# KiCad board InsidePanel.kicad_pcb (continued)
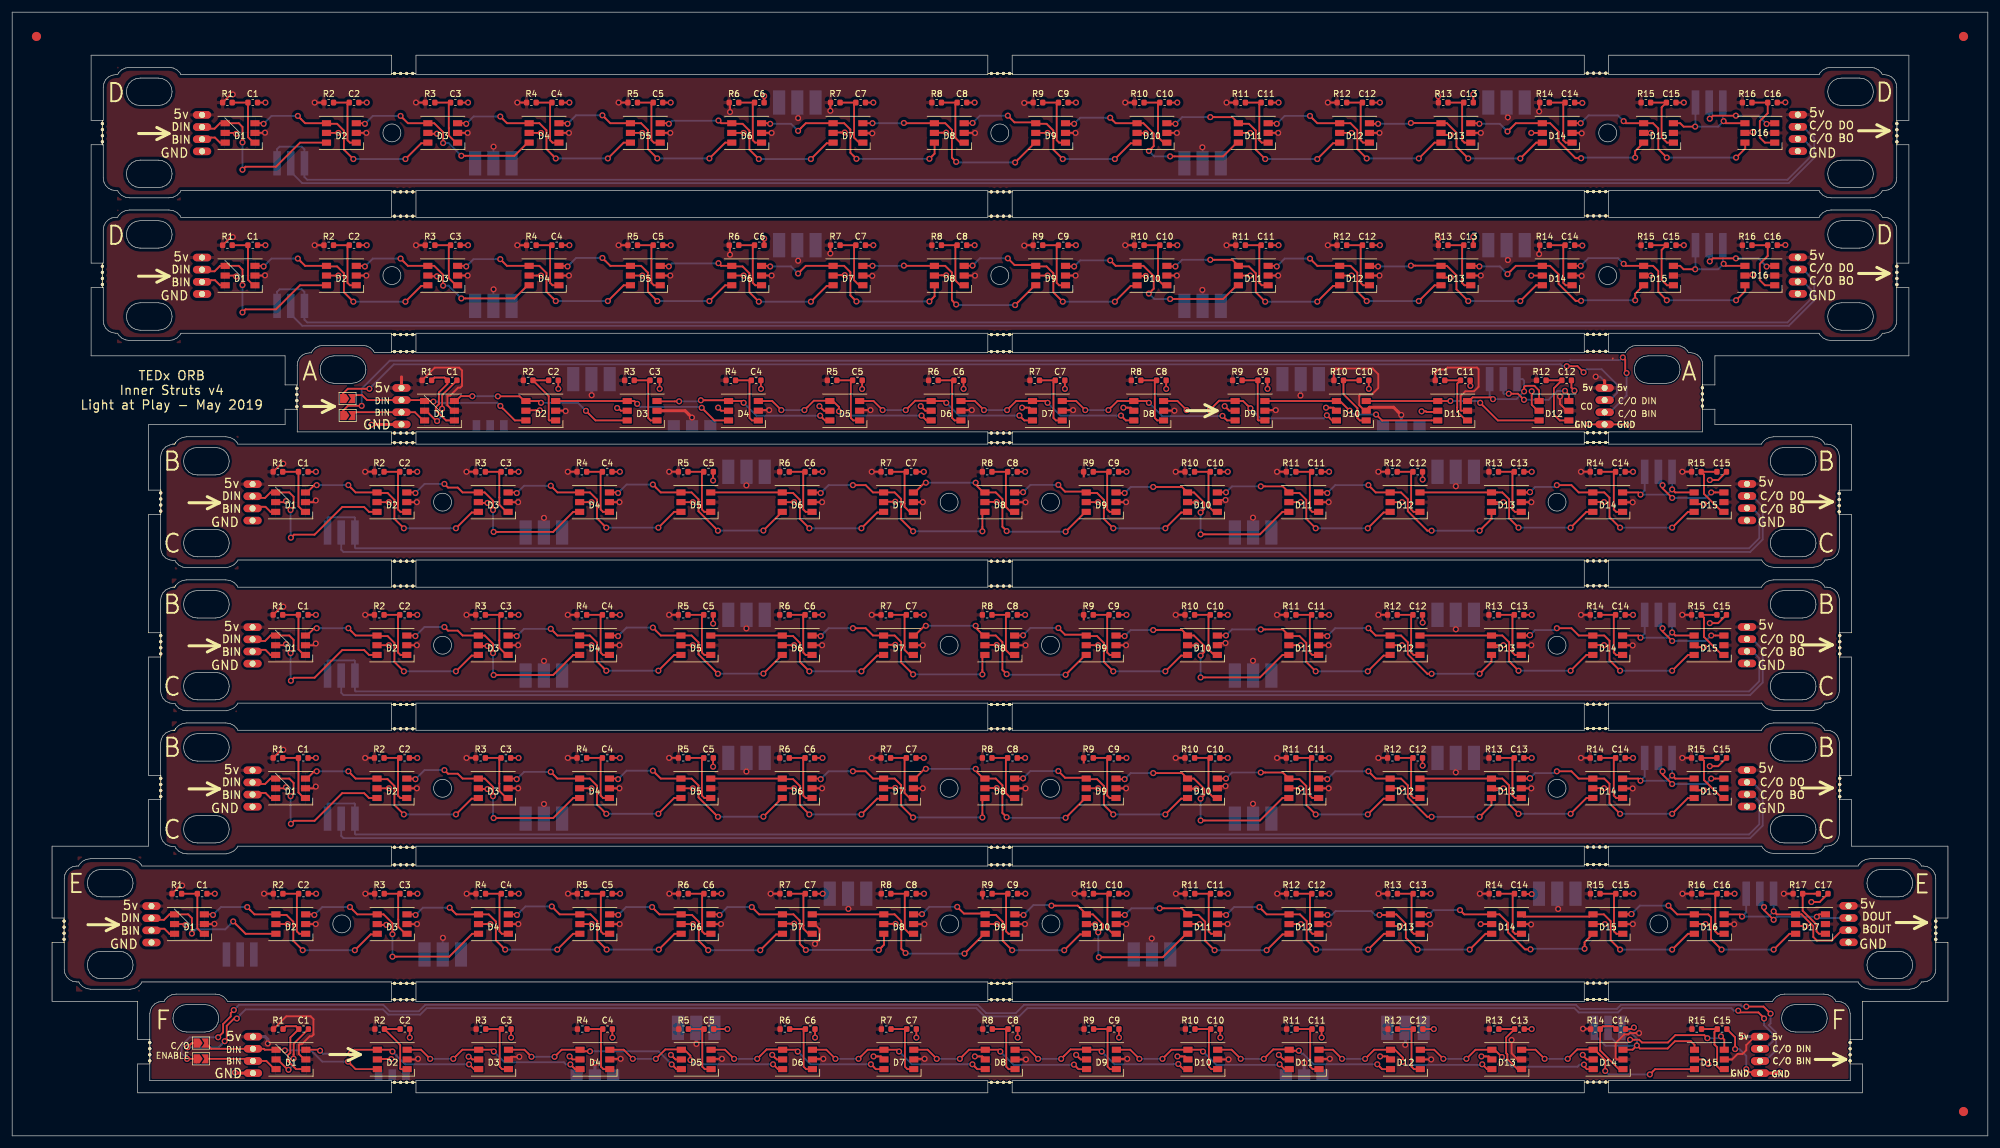
[diagram p0: board, top side]
## Placement (name value [footprint] x y rotation side) (continued)
R16  330  [R_0603_1608Metric]  277.08 39.86 0 top
R16#2  330  [R_0603_1608Metric]  285.41 170.12 0 top
R16#3  330  [R_0603_1608Metric]  285.41 146.63 0 top
R17  330  [R_0603_1608Metric]  293.75 39.86 0 top
REF**  -  [MousebiteTabSingle4mm]  64.4 174.91 0 top
REF**#2  -  [MousebiteTabSingle4mm]  162.57 174.91 0 top
REF**#3  -  [MousebiteTabSingle4mm]  260.64 174.95 0 top
REF**#4  -  [MousebiteTabSingle4mm]  260.64 155.45 0 top
REF**#5  -  [MousebiteTabSingle4mm]  64.4 155.41 0 top
REF**#6  -  [MousebiteTabSingle4mm]  162.57 155.41 0 top
REF**#7  -  [MousebiteTabSingle4mm]  260.64 151.45 0 top
REF**#8  -  [MousebiteTabSingle4mm]  64.4 151.41 0 top
REF**#9  -  [MousebiteTabSingle4mm]  162.57 151.41 0 top
REF**#10  -  [MousebiteTabSingle4mm]  162.57 131.91 0 top
REF**#11  -  [MousebiteTabSingle4mm]  260.64 131.95 0 top
REF**#12  -  [MousebiteTabSingle4mm]  64.4 131.91 0 top
REF**#13  -  [MousebiteTabSingle4mm]  64.4 129.11 0 top
REF**#14  -  [MousebiteTabSingle4mm]  260.64 129.15 0 top
REF**#15  -  [MousebiteTabSingle4mm]  162.57 129.11 0 top
REF**#16  -  [MousebiteTabSingle4mm]  64.4 115.71 0 top
REF**#17  -  [MousebiteTabSingle4mm]  260.64 115.75 0 top
REF**#18  -  [MousebiteTabSingle4mm]  162.57 115.71 0 top
REF**#19  -  [MousebiteTabSingle4mm]  64.4 114.11 0 top
REF**#20  -  [MousebiteTabSingle4mm]  260.64 114.15 0 top
REF**#21  -  [MousebiteTabSingle4mm]  162.57 114.11 0 top
REF**#22  -  [MousebiteTabSingle4mm]  64.4 94.61 0 top
REF**#23  -  [MousebiteTabSingle4mm]  260.64 94.65 0 top
REF**#24  -  [MousebiteTabSingle4mm]  162.57 94.61 0 top
REF**#25  -  [MousebiteTabSingle4mm]  64.4 90.51 0 top
REF**#26  -  [MousebiteTabSingle4mm]  260.64 90.55 0 top
REF**#27  -  [MousebiteTabSingle4mm]  162.57 90.51 0 top
REF**#28  -  [MousebiteTabSingle4mm]  64.4 71.01 0 top
REF**#29  -  [MousebiteTabSingle4mm]  260.64 71.05 0 top
REF**#30  -  [MousebiteTabSingle4mm]  162.57 71.01 0 top
REF**#31  -  [MousebiteTabSingle4mm]  64.4 67.01 0 top
REF**#32  -  [MousebiteTabSingle4mm]  260.64 67.05 0 top
REF**#33  -  [MousebiteTabSingle4mm]  162.57 67.01 0 top
REF**#34  -  [MousebiteTabSingle4mm]  64.4 47.51 0 top
REF**#35  -  [MousebiteTabSingle4mm]  260.64 47.55 0 top
REF**#36  -  [MousebiteTabSingle4mm]  162.57 47.51 0 top
REF**#37  -  [MousebiteTabSingle4mm]  64.4 44.61 0 top
REF**#38  -  [MousebiteTabSingle4mm]  260.64 44.65 0 top
REF**#39  -  [MousebiteTabSingle4mm]  162.57 44.61 0 top
REF**#40  -  [MousebiteTabSingle4mm]  64.4 25.11 0 top
REF**#41  -  [MousebiteTabSingle4mm]  260.64 25.15 0 top
REF**#42  -  [MousebiteTabSingle4mm]  162.57 25.11 0 top
REF**#43  -  [MousebiteTabSingle4mm]  64.4 22.41 0 top
REF**#44  -  [MousebiteTabSingle4mm]  260.64 22.45 0 top
REF**#45  -  [MousebiteTabSingle4mm]  162.57 22.41 0 top
REF**#46  -  [MousebiteTabSingle4mm]  64.4 8.81 0 top
REF**#47  -  [MousebiteTabSingle4mm]  260.64 8.85 0 top
REF**#48  -  [MousebiteTabSingle4mm]  162.57 8.81 0 top
REF**#49  -  [Fiducial_1.5mm_Mask3mm]  321 181 0 top
REF**#50  -  [MousebiteTabSingle4mm]  14.84 165.15 90 top
REF**#51  -  [MousebiteTabSingle4mm]  14.84 141.67 90 top
REF**#52  -  [MousebiteTabSingle4mm]  46.84 121.55 90 top
REF**#53  -  [MousebiteTabSingle4mm]  24.44 104.35 90 top
REF**#54  -  [MousebiteTabSingle4mm]  24.44 80.85 90 top
REF**#55  -  [MousebiteTabSingle4mm]  24.44 57.35 90 top
REF**#56  -  [MousebiteTabSingle4mm]  8.54 33.85 90 top
REF**#57  -  [MousebiteTabSingle4mm]  22.64 13.85 90 top
REF**#58  -  [MousebiteTabSingle4mm]  302.34 13.85 90 top
REF**#59  -  [MousebiteTabSingle4mm]  316.44 33.85 90 top
REF**#60  -  [MousebiteTabSingle4mm]  300.64 57.35 90 top
REF**#61  -  [MousebiteTabSingle4mm]  300.64 80.85 90 top
REF**#62  -  [MousebiteTabSingle4mm]  300.54 104.25 90 top
REF**#63  -  [MousebiteTabSingle4mm]  278.04 121.65 90 top
REF**#64  -  [MousebiteTabSingle4mm]  310.04 141.65 90 top
REF**#65  -  [MousebiteTabSingle4mm]  310.04 165.15 90 top
REF**#66  -  [Fiducial_1.5mm_Mask3mm]  4 181 0 top
REF**#67  -  [Fiducial_1.5mm_Mask3mm]  321 4 0 top
REF**#68  -  [TEDX_DAT_BRIDGE]  78.63 115.61 0 bottom
REF**#69  -  [TEDX_DAT_BRIDGE]  62.53 8.72 0 bottom

## Footprints (pads in the part's own frame, mm; a bottom-side part is the same pattern mirrored in y, then rotated)
C_0603_1608Metric
  rrect 0.875x0.95 smd: 1(-0.787,0) 2(0.787,0)
Fiducial_1.5mm_Mask3mm
  round 1.5 smd: (0,0)
LED_WS2812_PLCC6_5.0x5.0mm_P1.6mm
  rect 1.5x1 smd: 1(-2.45,1.6) 2(-2.45,0) 3(-2.45,-1.6) 4(2.45,-1.6) 5(2.45,0) 6(2.45,1.6)
MousebiteTabSingle4mm
  round 0.5 hole 0.5: (-1.5,0) (-0.5,0) (0.5,0) (1.5,0)
R_0603_1608Metric
  rrect 0.875x0.95 smd: 1(-0.787,0) 2(0.787,0)
SolderJumper-2_P1.3mm_Open_TrianglePad1.0x1.5mm
  custom 1.5x1.5 smd: 1(-0.725,0)
  custom 1.15x1.5 smd: 2(0.725,0)
TEDX_DAT_BRIDGE
  rect 1.25x1.75 smd: 1(0,-1.35) 2(-2.25,-1.35) 2(2.25,-1.35)
TEDX_DAT_BRIDGE_TALL
  rect 1.25x4 smd: 1(0,-2) 2(-2.25,-2) 2(2.25,-2)
TEDX_INNER_4
  oval 3x1.25 hole 1: 1(0,3) 2(0,1) 3(0,-1) 4(0,-3)
TEDX_PWR_BRIDGE
  rect 2x1.75 smd: 1(0,-1.35) 2(-3,-1.35) 2(3,-1.35)
TEDX_PWR_BRIDGE_TALL
  rect 2x4 smd: 1(0,-2) 2(-3,-2) 2(3,-2)

## Nets
+5V: D1.2 D1#2.2 D1#3.2 D1#4.2 D1#5.2 D1#6.2 D1#7.2 D1#8.2 D2.2 D2#2.2 D2#3.2 D2#4.2 D2#5.2 D2#6.2 D2#7.2 D2#8.2 D3.2 D3#2.2 D3#3.2 D3#4.2 D3#5.2 D3#6.2 D3#7.2 D3#8.2 D4.2 D4#2.2 D4#3.2 D4#4.2 D4#5.2 D4#6.2 D4#7.2 D4#8.2 D5.2 D5#2.2 D5#3.2 D5#4.2 D5#5.2 D5#6.2 D5#7.2 D5#8.2 D6.2 D6#2.2 D6#3.2 D6#4.2 D6#5.2 D6#6.2 D6#7.2 D6#8.2 D7.2 D7#2.2 D7#3.2 D7#4.2 D7#5.2 D7#6.2 D7#7.2 D7#8.2 D8.2 D8#2.2 D8#3.2 D8#4.2 D8#5.2 D8#6.2 D8#7.2 D8#8.2 D9.2 D9#2.2 D9#3.2 D9#4.2 D9#5.2 D9#6.2 D9#7.2 D9#8.2 D10.2 D10#2.2 D10#3.2 D10#4.2 D10#5.2 D10#6.2 D10#7.2 D10#8.2 D11.2 D11#2.2 D11#3.2 D11#4.2 D11#5.2 D11#6.2 D11#7.2 D11#8.2 D12.2 D12#2.2 D12#3.2 D12#4.2 D12#5.2 D12#6.2 D12#7.2 D12#8.2 D13.2 D13#2.2 D13#3.2 D13#4.2 D13#5.2 D13#6.2 D13#7.2 D14.2 D14#2.2 D14#3.2 D14#4.2 D14#5.2 D14#6.2 D14#7.2 D15.2 D15#2.2 D15#3.2 D15#4.2 D15#5.2 D15#6.2 D15#7.2 D16.2 D16#2.2 D16#3.2 D17.2 J1.1 J1#2.1 J1#3.1 J1#4.1 J1#5.1 J1#6.1 J1#7.1 J1#8.1 J2#5.1 J2#6.1 J2#7.1 J2#8.1 J3.1 J3#2.1 J3#3.1 J3#4.1 J3#5.1 J3#6.1 J3#7.1 J3#8.1 J3#9.1 J3#10.1 J3#11.1 J3#12.1 J3#13.1 J3#14.1 J3#15.1 J3#16.1 J3#17.1 J3#18.1 J3#19.1 J3#20.1 J3#21.1 J3#22.1 J3#23.1 J3#24.1 J4.1 J4#2.1 J4#6.1 J4#7.1 J5.1 J5#2.1 J5#3.1 J5#4.1 J5#5.1 J5#6.1 J5#7.1 J5#8.1 R1.1 R1#2.1 R1#3.1 R1#4.1 R1#5.1 R1#6.1 R1#7.1 R1#8.1 R2.1 R2#2.1 R2#3.1 R2#4.1 R2#5.1 R2#6.1 R2#7.1 R2#8.1 R3.1 R3#2.1 R3#3.1 R3#4.1 R3#5.1 R3#6.1 R3#7.1 R3#8.1 R4.1 R4#2.1 R4#3.1 R4#4.1 R4#5.1 R4#6.1 R4#7.1 R4#8.1 R5.1 R5#2.1 R5#3.1 R5#4.1 R5#5.1 R5#6.1 R5#7.1 R5#8.1 R6.1 R6#2.1 R6#3.1 R6#4.1 R6#5.1 R6#6.1 R6#7.1 R6#8.1 R7.1 R7#2.1 R7#3.1 R7#4.1 R7#5.1 R7#6.1 R7#7.1 R7#8.1 R8.1 R8#2.1 R8#3.1 R8#4.1 R8#5.1 R8#6.1 R8#7.1 R8#8.1 R9.1 R9#2.1 R9#3.1 R9#4.1 R9#5.1 R9#6.1 R9#7.1 R9#8.1 R10.1 R10#2.1 R10#3.1 R10#4.1 R10#5.1 R10#6.1 R10#7.1 R10#8.1 R11.1 R11#2.1 R11#3.1 R11#4.1 R11#5.1 R11#6.1 R11#7.1 R11#8.1 R12.1 R12#2.1 R12#3.1 R12#4.1 R12#5.1 R12#6.1 R12#7.1 R12#8.1 R13.1 R13#2.1 R13#3.1 R13#4.1 R13#5.1 R13#6.1 R13#7.1 R14.1 R14#2.1 R14#3.1 R14#4.1 R14#5.1 R14#6.1 R14#7.1 R15.1 R15#2.1 R15#3.1 R15#4.1 R15#5.1 R15#6.1 R15#7.1 R16.1 R16#2.1 R16#3.1 R17.1
GND: C1.2 C1#2.2 C1#3.2 C1#4.2 C1#5.2 C1#6.2 C1#7.2 C1#8.2 C2.2 C2#2.2 C2#3.2 C2#4.2 C2#5.2 C2#6.2 C2#7.2 C2#8.2 C3.2 C3#2.2 C3#3.2 C3#4.2 C3#5.2 C3#6.2 C3#7.2 C3#8.2 C4.2 C4#2.2 C4#3.2 C4#4.2 C4#5.2 C4#6.2 C4#7.2 C4#8.2 C5.2 C5#2.2 C5#3.2 C5#4.2 C5#5.2 C5#6.2 C5#7.2 C5#8.2 C6.2 C6#2.2 C6#3.2 C6#4.2 C6#5.2 C6#6.2 C6#7.2 C6#8.2 C7.2 C7#2.2 C7#3.2 C7#4.2 C7#5.2 C7#6.2 C7#7.2 C7#8.2 C8.2 C8#2.2 C8#3.2 C8#4.2 C8#5.2 C8#6.2 C8#7.2 C8#8.2 C9.2 C9#2.2 C9#3.2 C9#4.2 C9#5.2 C9#6.2 C9#7.2 C9#8.2 C10.2 C10#2.2 C10#3.2 C10#4.2 C10#5.2 C10#6.2 C10#7.2 C10#8.2 C11.2 C11#2.2 C11#3.2 C11#4.2 C11#5.2 C11#6.2 C11#7.2 C11#8.2 C12.2 C12#2.2 C12#3.2 C12#4.2 C12#5.2 C12#6.2 C12#7.2 C12#8.2 C13.2 C13#2.2 C13#3.2 C13#4.2 C13#5.2 C13#6.2 C13#7.2 C14.2 C14#2.2 C14#3.2 C14#4.2 C14#5.2 C14#6.2 C14#7.2 C15.2 C15#2.2 C15#3.2 C15#4.2 C15#5.2 C15#6.2 C15#7.2 C16.2 C16#2.2 C16#3.2 C17.2 D1.5 D1#2.5 D1#3.5 D1#4.5 D1#5.5 D1#6.5 D1#7.5 D1#8.5 D2.5 D2#2.5 D2#3.5 D2#4.5 D2#5.5 D2#6.5 D2#7.5 D2#8.5 D3.5 D3#2.5 D3#3.5 D3#4.5 D3#5.5 D3#6.5 D3#7.5 D3#8.5 D4.5 D4#2.5 D4#3.5 D4#4.5 D4#5.5 D4#6.5 D4#7.5 D4#8.5 D5.5 D5#2.5 D5#3.5 D5#4.5 D5#5.5 D5#6.5 D5#7.5 D5#8.5 D6.5 D6#2.5 D6#3.5 D6#4.5 D6#5.5 D6#6.5 D6#7.5 D6#8.5 D7.5 D7#2.5 D7#3.5 D7#4.5 D7#5.5 D7#6.5 D7#7.5 D7#8.5 D8.5 D8#2.5 D8#3.5 D8#4.5 D8#5.5 D8#6.5 D8#7.5 D8#8.5 D9.5 D9#2.5 D9#3.5 D9#4.5 D9#5.5 D9#6.5 D9#7.5 D9#8.5 D10.5 D10#2.5 D10#3.5 D10#4.5 D10#5.5 D10#6.5 D10#7.5 D10#8.5 D11.5 D11#2.5 D11#3.5 D11#4.5 D11#5.5 D11#6.5 D11#7.5 D11#8.5 D12.5 D12#2.5 D12#3.5 D12#4.5 D12#5.5 D12#6.5 D12#7.5 D12#8.5 D13.5 D13#2.5 D13#3.5 D13#4.5 D13#5.5 D13#6.5 D13#7.5 D14.5 D14#2.5 D14#3.5 D14#4.5 D14#5.5 D14#6.5 D14#7.5 D15.5 D15#2.5 D15#3.5 D15#4.5 D15#5.5 D15#6.5 D15#7.5 D16.5 D16#2.5 D16#3.5 D17.5 J1.4 J1#2.4 J1#3.4 J1#4.4 J1#5.4 J1#6.4 J1#7.4 J1#8.4 J2#5.2 J2#6.2 J2#7.2 J2#8.2 J3.2 J3#2.2 J3#3.2 J3#4.2 J3#5.2 J3#6.2 J3#7.2 J3#8.2 J3#9.2 J3#10.2 J3#11.2 J3#12.2 J3#13.2 J3#14.2 J3#15.2 J3#16.2 J3#17.2 J3#18.2 J3#19.2 J3#20.2 J3#21.2 J3#22.2 J3#23.2 J3#24.2 J4.2 J4#2.2 J4#6.2 J4#7.2 J5.4 J5#2.4 J5#3.4 J5#4.4 J5#5.4 J5#6.4 J5#7.4 J5#8.4
/BIN: D1.6 D1#2.6 D1#3.6 D1#4.6 D1#5.6 D1#6.6 D1#7.6 D1#8.6 J1.3 J1#2.3 J1#3.3 J1#4.3 J1#5.3 J1#6.3 J1#7.3 J1#8.3 JP4.2 JP4#2.2
/BOUT: D11.3 D12.4 D14.3 D14#4.3 D14#5.3 D14#6.3 D15.4 D15#3.3 D15#4.4 D15#5.4 D15#6.4 D15#7.3 D16.3 D16#2.4 D16#3.4 D17.4 J4#3.2 J4#4.2 J4#5.2 J4#9.2 J4#10.2 J4#11.2 J5#2.3 J6.2 J6#2.2
/CO_BIN: J5#4.3 J5#5.3 JP4.1 JP4#2.1
/CO_DIN: J5#4.2 J5#5.2 JP3.1 JP3#2.1
/DIN: D1.4 D1#2.4 D1#3.4 D1#4.4 D1#5.4 D1#6.4 D1#7.4 D1#8.4 D2.6 D2#2.6 D2#3.6 D2#4.6 D2#5.6 D2#6.6 D2#7.6 D2#8.6 J1.2 J1#2.2 J1#3.2 J1#4.2 J1#5.2 J1#6.2 J1#7.2 J1#8.2 JP3.2 JP3#2.2
/DOUT: D12.3 D15.3 D15#4.3 D15#5.3 D15#6.3 D16#2.3 D16#3.3 D17.3 J4#3.1 J4#4.1 J4#5.1 J4#9.1 J4#10.1 J4#11.1 J5#2.2 J6.1 J6#2.1
Net-(C1-Pad1): C1.1 C1#2.1 C1#3.1 C1#4.1 C1#5.1 C1#6.1 C1#7.1 C1#8.1 D1.1 D1#2.1 D1#3.1 D1#4.1 D1#5.1 D1#6.1 D1#7.1 D1#8.1 R1.2 R1#2.2 R1#3.2 R1#4.2 R1#5.2 R1#6.2 R1#7.2 R1#8.2
Net-(C2-Pad1): C2.1 C2#2.1 C2#3.1 C2#4.1 C2#5.1 C2#6.1 C2#7.1 C2#8.1 D2.1 D2#2.1 D2#3.1 D2#4.1 D2#5.1 D2#6.1 D2#7.1 D2#8.1 R2.2 R2#2.2 R2#3.2 R2#4.2 R2#5.2 R2#6.2 R2#7.2 R2#8.2
Net-(C3-Pad1): C3.1 C3#2.1 C3#3.1 C3#4.1 C3#5.1 C3#6.1 C3#7.1 C3#8.1 D3.1 D3#2.1 D3#3.1 D3#4.1 D3#5.1 D3#6.1 D3#7.1 D3#8.1 R3.2 R3#2.2 R3#3.2 R3#4.2 R3#5.2 R3#6.2 R3#7.2 R3#8.2
Net-(C4-Pad1): C4.1 C4#2.1 C4#3.1 C4#4.1 C4#5.1 C4#6.1 C4#7.1 C4#8.1 D4.1 D4#2.1 D4#3.1 D4#4.1 D4#5.1 D4#6.1 D4#7.1 D4#8.1 R4.2 R4#2.2 R4#3.2 R4#4.2 R4#5.2 R4#6.2 R4#7.2 R4#8.2
Net-(C5-Pad1): C5.1 C5#2.1 C5#3.1 C5#4.1 C5#5.1 C5#6.1 C5#7.1 C5#8.1 D5.1 D5#2.1 D5#3.1 D5#4.1 D5#5.1 D5#6.1 D5#7.1 D5#8.1 R5.2 R5#2.2 R5#3.2 R5#4.2 R5#5.2 R5#6.2 R5#7.2 R5#8.2
Net-(C6-Pad1): C6.1 C6#2.1 C6#3.1 C6#4.1 C6#5.1 C6#6.1 C6#7.1 C6#8.1 D6.1 D6#2.1 D6#3.1 D6#4.1 D6#5.1 D6#6.1 D6#7.1 D6#8.1 R6.2 R6#2.2 R6#3.2 R6#4.2 R6#5.2 R6#6.2 R6#7.2 R6#8.2
Net-(C7-Pad1): C7.1 C7#2.1 C7#3.1 C7#4.1 C7#5.1 C7#6.1 C7#7.1 C7#8.1 D7.1 D7#2.1 D7#3.1 D7#4.1 D7#5.1 D7#6.1 D7#7.1 D7#8.1 R7.2 R7#2.2 R7#3.2 R7#4.2 R7#5.2 R7#6.2 R7#7.2 R7#8.2
Net-(C8-Pad1): C8.1 C8#2.1 C8#3.1 C8#4.1 C8#5.1 C8#6.1 C8#7.1 C8#8.1 D8.1 D8#2.1 D8#3.1 D8#4.1 D8#5.1 D8#6.1 D8#7.1 D8#8.1 R8.2 R8#2.2 R8#3.2 R8#4.2 R8#5.2 R8#6.2 R8#7.2 R8#8.2
Net-(C9-Pad1): C9.1 C9#2.1 C9#3.1 C9#4.1 C9#5.1 C9#6.1 C9#7.1 C9#8.1 D9.1 D9#2.1 D9#3.1 D9#4.1 D9#5.1 D9#6.1 D9#7.1 D9#8.1 R9.2 R9#2.2 R9#3.2 R9#4.2 R9#5.2 R9#6.2 R9#7.2 R9#8.2
Net-(C10-Pad1): C10.1 C10#2.1 C10#3.1 C10#4.1 C10#5.1 C10#6.1 C10#7.1 C10#8.1 D10.1 D10#2.1 D10#3.1 D10#4.1 D10#5.1 D10#6.1 D10#7.1 D10#8.1 R10.2 R10#2.2 R10#3.2 R10#4.2 R10#5.2 R10#6.2 R10#7.2 R10#8.2
Net-(C11-Pad1): C11.1 C11#2.1 C11#3.1 C11#4.1 C11#5.1 C11#6.1 C11#7.1 C11#8.1 D11.1 D11#2.1 D11#3.1 D11#4.1 D11#5.1 D11#6.1 D11#7.1 D11#8.1 R11.2 R11#2.2 R11#3.2 R11#4.2 R11#5.2 R11#6.2 R11#7.2 R11#8.2
Net-(C12-Pad1): C12.1 C12#2.1 C12#3.1 C12#4.1 C12#5.1 C12#6.1 C12#7.1 C12#8.1 D12.1 D12#2.1 D12#3.1 D12#4.1 D12#5.1 D12#6.1 D12#7.1 D12#8.1 R12.2 R12#2.2 R12#3.2 R12#4.2 R12#5.2 R12#6.2 R12#7.2 R12#8.2
Net-(C13-Pad1): C13.1 C13#2.1 C13#3.1 C13#4.1 C13#5.1 C13#6.1 C13#7.1 D13.1 D13#2.1 D13#3.1 D13#4.1 D13#5.1 D13#6.1 D13#7.1 R13.2 R13#2.2 R13#3.2 R13#4.2 R13#5.2 R13#6.2 R13#7.2
Net-(C14-Pad1): C14.1 C14#2.1 C14#3.1 C14#4.1 C14#5.1 C14#6.1 C14#7.1 D14.1 D14#2.1 D14#3.1 D14#4.1 D14#5.1 D14#6.1 D14#7.1 R14.2 R14#2.2 R14#3.2 R14#4.2 R14#5.2 R14#6.2 R14#7.2
Net-(C15-Pad1): C15.1 C15#2.1 C15#3.1 C15#4.1 C15#5.1 C15#6.1 C15#7.1 D15.1 D15#2.1 D15#3.1 D15#4.1 D15#5.1 D15#6.1 D15#7.1 R15.2 R15#2.2 R15#3.2 R15#4.2 R15#5.2 R15#6.2 R15#7.2
Net-(C16-Pad1): C16.1 C16#2.1 C16#3.1 D16.1 D16#2.1 D16#3.1 R16.2 R16#2.2 R16#3.2
Net-(C17-Pad1): C17.1 D17.1 R17.2
Net-(D1-Pad3): D1.3 D1#2.3 D1#3.3 D1#4.3 D1#5.3 D1#6.3 D1#7.3 D1#8.3 D2.4 D2#2.4 D2#3.4 D2#4.4 D2#5.4 D2#6.4 D2#7.4 D2#8.4 D3.6 D3#2.6 D3#3.6 D3#4.6 D3#5.6 D3#6.6 D3#7.6 D3#8.6
Net-(D2-Pad3): D2.3 D2#2.3 D2#3.3 D2#4.3 D2#5.3 D2#6.3 D2#7.3 D2#8.3 D3.4 D3#2.4 D3#3.4 D3#4.4 D3#5.4 D3#6.4 D3#7.4 D3#8.4 D4.6 D4#2.6 D4#3.6 D4#4.6 D4#5.6 D4#6.6 D4#7.6 D4#8.6
Net-(D3-Pad3): D3.3 D3#2.3 D3#3.3 D3#4.3 D3#5.3 D3#6.3 D3#7.3 D3#8.3 D4.4 D4#2.4 D4#3.4 D4#4.4 D4#5.4 D4#6.4 D4#7.4 D4#8.4 D5.6 D5#2.6 D5#3.6 D5#4.6 D5#5.6 D5#6.6 D5#7.6 D5#8.6
Net-(D4-Pad3): D4.3 D4#2.3 D4#3.3 D4#4.3 D4#5.3 D4#6.3 D4#7.3 D4#8.3 D5.4 D5#2.4 D5#3.4 D5#4.4 D5#5.4 D5#6.4 D5#7.4 D5#8.4 D6.6 D6#2.6 D6#3.6 D6#4.6 D6#5.6 D6#6.6 D6#7.6 D6#8.6
Net-(D5-Pad3): D5.3 D5#2.3 D5#3.3 D5#4.3 D5#5.3 D5#6.3 D5#7.3 D5#8.3 D6.4 D6#2.4 D6#3.4 D6#4.4 D6#5.4 D6#6.4 D6#7.4 D6#8.4 D7.6 D7#2.6 D7#3.6 D7#4.6 D7#5.6 D7#6.6 D7#7.6 D7#8.6
Net-(D6-Pad3): D6.3 D6#2.3 D6#3.3 D6#4.3 D6#5.3 D6#6.3 D6#7.3 D6#8.3 D7.4 D7#2.4 D7#3.4 D7#4.4 D7#5.4 D7#6.4 D7#7.4 D7#8.4 D8.6 D8#2.6 D8#3.6 D8#4.6 D8#5.6 D8#6.6 D8#7.6 D8#8.6
Net-(D7-Pad3): D7.3 D7#2.3 D7#3.3 D7#4.3 D7#5.3 D7#6.3 D7#7.3 D7#8.3 D8.4 D8#2.4 D8#3.4 D8#4.4 D8#5.4 D8#6.4 D8#7.4 D8#8.4 D9.6 D9#2.6 D9#3.6 D9#4.6 D9#5.6 D9#6.6 D9#7.6 D9#8.6
Net-(D10-Pad3): D10.3 D10#2.3 D10#3.3 D10#4.3 D10#5.3 D10#6.3 D10#7.3 D10#8.3 D11.4 D11#2.4 D11#3.4 D11#4.4 D11#5.4 D11#6.4 D11#7.4 D11#8.4 D12.6 D12#2.6 D12#3.6 D12#4.6 D12#5.6 D12#6.6 D12#7.6 D12#8.6
Net-(D10-Pad4): D9.3 D9#2.3 D9#3.3 D9#4.3 D9#5.3 D9#6.3 D9#7.3 D9#8.3 D10.4 D10#2.4 D10#3.4 D10#4.4 D10#5.4 D10#6.4 D10#7.4 D10#8.4 D11.6 D11#2.6 D11#3.6 D11#4.6 D11#5.6 D11#6.6 D11#7.6 D11#8.6
Net-(D10-Pad6): D8.3 D8#2.3 D8#3.3 D8#4.3 D8#5.3 D8#6.3 D8#7.3 D8#8.3 D9.4 D9#2.4 D9#3.4 D9#4.4 D9#5.4 D9#6.4 D9#7.4 D9#8.4 D10.6 D10#2.6 D10#3.6 D10#4.6 D10#5.6 D10#6.6 D10#7.6 D10#8.6
Net-(D11-Pad3): D11#2.3 D11#3.3 D11#4.3 D11#5.3 D11#6.3 D11#7.3 D11#8.3 D12#2.4 D12#3.4 D12#4.4 D12#5.4 D12#6.4 D12#7.4 D12#8.4 D13.6 D13#2.6 D13#3.6 D13#4.6 D13#5.6 D13#6.6 D13#7.6
Net-(D12-Pad3): D12#2.3 D12#3.3 D12#4.3 D12#5.3 D12#6.3 D12#7.3 D12#8.3 D13.4 D13#2.4 D13#3.4 D13#4.4 D13#5.4 D13#6.4 D13#7.4 D14.6 D14#2.6 D14#3.6 D14#4.6 D14#5.6 D14#6.6 D14#7.6
Net-(D13-Pad3): D13.3 D13#2.3 D13#3.3 D13#4.3 D13#5.3 D13#6.3 D13#7.3 D14.4 D14#2.4 D14#3.4 D14#4.4 D14#5.4 D14#6.4 D14#7.4 D15.6 D15#2.6 D15#3.6 D15#4.6 D15#5.6 D15#6.6 D15#7.6
Net-(D14-Pad3): D14#2.3 D14#3.3 D14#7.3 D15#2.4 D15#3.4 D15#7.4 D16.6 D16#2.6 D16#3.6
Net-(D15-Pad3): D15#2.3 D16.4 D17.6
Net-(J2-Pad1): J2.1 J2#2.1 J2#3.1 J2#4.1 J2#9.1 J5.2 J5#3.2 J5#6.2 J5#7.2 J5#8.2
Net-(J2-Pad2): J2.2 J2#2.2 J2#3.2 J2#4.2 J2#9.2 J5.3 J5#3.3 J5#6.3 J5#7.3 J5#8.3

Pads without a net: J4#8 1 2; REF**#68 1 2; REF**#69 1 2

## Via types
v1: diameter 1, hole 0.6, Top to Bottom, 931 vias

## Routing (per net, layer and track width the routed paths; a pad name or vN(x,y) marks a point on that pad's centre or on a via; arc(x,y) is an arc through that point)
+5V: length 485.8
  Top w0.3: D13.2 v1(249.9,57.22) ; D11#2.2 v1(216.57,57.22) ; 181.58,57.22 v1(183.23,57.22) ; D6#2.2 v1(133.23,57.22) ; D4#2.2 v1(99.9,57.22) ; D3#2.2 v1(83.23,57.22) ; D2#2.2 v1(66.57,57.22) ; D15#2.2 v1(266.6,34.86) ; D13#2.2 v1(233.27,34.86) ; D12#3.2 v1(216.6,34.86) ; 198.28,34.86 v1(199.93,34.86) ; D10#3.2 v1(183.27,34.86) ; D9#3.2 v1(166.6,34.86) ; D6#3.2 v1(116.6,34.86) ; D5#3.2 v1(99.93,34.86) ; D4#3.2 v1(83.27,34.86) ; D3#3.2 v1(66.6,34.86) ; D2#3.2 v1(49.93,34.86) ; D13#3.2 v1(241.59,165.12) ; 223.28,165.12 v1(224.93,165.12) ; D11#4.2 v1(208.26,165.12) ; D10#4.2 v1(191.59,165.12) ; 173.28,165.12 v1(174.93,165.12) ; D6#4.2 v1(124.93,165.12) ; D5#4.2 v1(108.26,165.12) ; D4#4.2 v1(91.59,165.12) ; D3#4.2 v1(74.93,165.12) ; D2#4.2 v1(58.26,165.12) ; R15.1 v1(274.73,62.22) ; R14.1 v1(258.07,62.22) ; R12#2.1 v1(224.73,62.22) ; R11#2.1 v1(208.07,62.22) ; 192.93,62.22 v1(191.4,62.22) ; 142.93,62.22 v1(141.4,62.22) ; R5#2.1 v1(108.07,62.22) ; R4#2.1 v1(91.4,62.22) ; R2#2.1 v1(58.07,62.22) ; R3#2.1 v1(74.73,62.22) ; R17.1 v1(291.43,39.86) ; 276.3,39.86 v1(274.77,39.86) ; R14#2.1 v1(241.43,39.86) ; 226.3,39.86 v1(224.77,39.86) ; 209.63,39.86 v1(208.1,39.86) ; R11#3.1 v1(191.43,39.86) ; R10#3.1 v1(174.77,39.86) ; R7#3.1 v1(124.77,39.86) ; 109.63,39.86 v1(108.1,39.86) ; R5#3.1 v1(91.43,39.86) ; R4#3.1 v1(74.77,39.86) ; R2#3.1 v1(41.43,39.86) ; 59.63,39.86 v1(58.1,39.86) ; R12#4.1 v1(216.43,170.12) ; R11#4.1 v1(199.76,170.12) ; 184.62,170.12 v1(183.09,170.12) ; R5#4.1 v1(99.76,170.12) ; R4#4.1 v1(83.09,170.12) ; R2#4.1 v1(49.76,170.12) ; R3#4.1 v1(66.43,170.12) ; v1(233.43,12.58) D12#5.2 231.84,12.78 ; v1(200.09,12.58) D10#5.2 198.51,12.78 ; D8#5.2 v1(166.76,12.58) ; D8.2 v1(191.19,119.38) ; D11#6.2 v1(216.57,80.77) ; R14#5.1 v1(258.07,85.77) ; R3#6.1 v1(74.73,85.77) ; D4#6.2 v1(99.9,80.77) ; R15#5.1 v1(274.73,85.77) ; R11#6.1 v1(208.07,85.77) ; R4#6.1 v1(91.4,85.77) ; D6#6.2 v1(133.23,80.77) ; 142.93,85.77 v1(141.4,85.77) ; R5#6.1 v1(108.07,85.77) ; D13#5.2 v1(249.9,80.77) ; 192.93,85.77 v1(191.4,85.77) ; D3#6.2 v1(83.23,80.77) ; D2#6.2 v1(66.57,80.77) ; 181.58,80.77 v1(183.23,80.77) ; R2#6.1 v1(58.07,85.77) ; v1(49.95,81.06) 49.66,80.77 D1#6.2 ; D10#6.2 198.61,81.13 v1(199.6,81.13) ; 242.93,85.77 242.97,85.74 ; v1(166.7,80.76) 166.68,80.77 D8#6.2 ; v1(44.6,87.11) 44.27,87.11 R1#6.1 ; D7#6.2 v1(149.8,80.77) ; D14#5.2 264.94,80.75 v1(266.57,80.75) ; 176.3,84.98 176.3,85.74 R9#6.1 ; R12#6.1 v1(224.73,85.77) ; D13#6.2 v1(249.9,104.33) ; D6#7.2 v1(133.23,104.33) ; R11#7.1 v1(208.07,109.33) ; D4#7.2 v1(99.9,104.33) ; R14#6.1 v1(258.07,109.33) ; R5#7.1 v1(108.07,109.33) ; 142.93,109.33 v1(141.4,109.33) ; R15#6.1 v1(274.73,109.33) ; R4#7.1 v1(91.4,109.33) ; D11#7.2 v1(216.57,104.33) ; R3#7.1 v1(74.73,109.33) ; 192.93,109.33 v1(191.4,109.33) ; D3#7.2 v1(83.23,104.33) ; D2#7.2 v1(66.57,104.33) ; 181.58,104.33 v1(183.23,104.33) ; R2#7.1 v1(58.07,109.33) ; v1(49.95,104.61) 49.66,104.33 D1#7.2 ; D10#7.2 198.61,104.69 v1(199.6,104.69) ; 242.93,109.33 242.97,109.29 ; v1(166.7,104.32) 166.68,104.33 D8#7.2 ; v1(44.6,110.67) 44.27,110.67 R1#7.1 ; D7#7.2 v1(149.8,104.33) ; D14#6.2 264.94,104.3 v1(266.57,104.3) ; 176.3,108.54 176.3,109.29 R9#7.1 ; R12#7.1 v1(224.73,109.33) ; v1(251.19,145.17) 251.19,146.53 R14#7.1 ; 234.62,146.63 234.59,146.67 v1(234.59,147.67) ; R9#8.1 166.55,146.63 v1(166.49,146.57) ; v1(141.49,141.57) 140.01,141.57 D7#8.2 ; v1(134.59,145.27) 134.59,146.6 134.62,146.63 ; D13#7.2 v1(241.59,141.63) ; v1(41.59,141.67) 41.56,141.63 D1#8.2 ; R15#7.1 267.99,146.59 ; v1(258.19,141.57) 258.13,141.63 D14#7.2 ; v1(158.39,141.62) 158.38,141.63 D8#8.2 ; R2#8.1 v1(49.76,146.63) ; D2#8.2 v1(58.26,141.63) ; v1(36.29,147.97) 35.96,147.97 R1#8.1 ; R3#8.1 v1(66.43,146.63) ; D5#8.2 v1(108.26,141.63) ; R5#8.1 v1(99.76,146.63) ; D4#8.2 v1(91.59,141.63) ; R4#8.1 v1(83.09,146.63) ; D3#8.2 v1(74.93,141.63) ; D11#8.2 v1(208.26,141.63) ; 173.28,141.63 v1(174.93,141.63) ; R11#8.1 v1(199.76,146.63) ; 184.62,146.63 v1(183.09,146.63) ; D10#8.2 v1(191.59,141.63) ; v1(118.09,145.07) 118.09,146.5 R6#8.1 ; R12#8.1 v1(216.43,146.63) ; D6#8.2 v1(124.93,141.63) ; 223.28,141.63 v1(224.93,141.63) ; D7#2.2 v1(149.8,57.22) ; 115.28,12.88 D5#5.2 115.08,12.68 v1(116.76,12.68) ; R1#2.1 44.27,63.56 v1(44.6,63.56) ; v1(267.62,16.92) 266.09,16.92 265.87,16.71 265.2,16.71 263.76,15.27 263.76,12.78 263.96,12.58 264.98,12.58 ; R10.1 217.42,126.01 217.75,126.33 223.8,126.33 224.72,125.41 224.72,123.11 223.7,122.08 221.8,122.08 221.6,121.88 221.6,120.28 222.5,119.38 D10.2 222.94,119.58 ; 139.71,119.68 D5.2 139.51,119.48 v1(141.2,119.48) ; v1(133.43,12.68) 131.74,12.68 D6#5.2 131.84,12.78 ; v1(157.86,119.48) 156.18,119.48 D6.2 156.28,119.58 ; v1(166.7,57.21) 166.68,57.22 D8#2.2 ; v1(150.09,12.68) 148.41,12.68 D7#5.2 148.61,12.88 ; R6#4.1 118.09,169.98 v1(118.09,168.55) ; D13#4.2 247.65,12.58 246.66,13.57 v1(246.66,15.78) ; D16.2 281.64,34.84 v1(283.27,34.84) ; R15#3.1 267.99,170.08 ; 181.74,12.68 D9#5.2 181.74,12.68 ; 181.74,12.68 v1(183.43,12.68) ; v1(91.05,119.32) 90.99,119.38 D2.2 ; 239.71,119.68 D11.2 238.36,119.38 238.26,119.48 238.26,121.8 239.05,122.58 240.5,122.58 241.22,123.31 241.22,126.23 240.97,126.48 236.15,126.48 235.82,126.16 234.57,126.16 234.09,125.68 R11.1 ; D7#3.2 132.01,34.86 132.81,34.06 132.81,32.35 v1(132.06,31.6) ; D14#2.2 249.8,34.86 v1(249.86,34.8) ; D3.2 106.18,119.48 ; v1(158.39,165.1) 158.38,165.12 D8#4.2 ; D14.2 264.94,57.19 v1(266.57,57.19) ; 134.62,170.12 134.59,170.08 v1(134.59,168.75) ; v1(234.59,171.15) 234.59,170.15 234.62,170.12 ; 81.74,12.68 D3#5.2 82.08,13.02 v1(83.43,13.02) ; v1(33.27,34.9) 33.23,34.86 D1#3.2 ; 176.3,61.43 176.3,62.18 R9#2.1 ; R1#4.1 35.96,171.45 v1(36.29,171.45) ; 206.18,119.48 D9.2 206.18,119.48 ; 206.18,119.48 v1(207.86,119.48) ; J5#4.1 286.65,16.33 285.26,14.94 285.26,14.1 284.64,13.48 283.83,13.48 282.93,12.58 D15#4.2 ; 215.28,12.88 214.98,12.58 215.08,12.68 v1(216.76,12.68) ; v1(27.96,41.2) 27.63,41.2 R1#3.1 ; v1(100.09,12.68) 98.41,12.68 D4#5.2 98.51,12.78 ; v1(251.19,168.65) 251.19,170.02 R14#3.1 ; R1.1 69.52,126.48 73.53,126.48 74,126.01 74,123.47 73.72,123.18 73.37,123.18 72.07,121.88 71.68,121.88 71.6,121.8 71.6,120.28 72.5,119.38 D1.2 ; 173.04,119.68 D7.2 172.85,119.48 v1(174.53,119.48) ; 242.93,62.22 242.97,62.18 ; D10#2.2 198.61,57.58 v1(199.6,57.58) ; v1(166.49,170.05) 166.55,170.12 R9#4.1 ; 159.63,39.86 159.67,39.83 159.67,39.07 ; v1(258.4,17.63) 259.6,17.63 R14#4.1 ; v1(41.59,165.15) 41.56,165.12 D1#4.2 ; v1(254.61,121.72) 254.61,120.49 255.72,119.38 256.08,119.38 256.28,119.58 ; 259.63,39.86 259.67,39.83 ; v1(66.76,12.68) 66.66,12.58 D2#5.2 ; v1(141.49,165.05) 140.01,165.05 D7#4.2 ; D14#3.2 258.13,165.12 v1(258.19,165.05) ; v1(150.06,34.85) 150.05,34.86 D8#3.2 ; D1#5.2 48.06,12.58 47.16,13.48 47.16,15 47.24,15.08 47.63,15.08 48.93,16.38 49.28,16.38 49.57,16.67 49.57,19.2 49.09,19.68 45.09,19.68 R1#5.1 ; v1(124.53,119.48) 122.85,119.48 D4.2 122.95,119.58 ; D1#2.2 49.66,57.22 v1(49.95,57.5)
  Top w0.5: D3.2 110.7,119.38 v1(111.83,118.25) ; J5#5.1 261.96,124.26 261.9,124.32 ; v1(228.51,118.68) 227.25,119.94 223.31,119.94 D10.2 ; J1.1 64.05,124.93
  Bottom w0.3: v1(204.12,78.22) 204.13,78.2 J3#15.1 ; J3#13.1 237.47,83.41 v1(237.49,83.4) ; J3#14.1 120.8,83.56 v1(120.78,83.54) ; J3#16.1 87.47,78.17 v1(87.48,78.19) ; v1(204.12,101.77) 204.13,101.76 J3#19.1 ; J3#17.1 237.47,106.97 v1(237.49,106.95) ; J3#18.1 120.8,107.12 v1(120.78,107.1) ; J3#20.1 87.47,101.73 v1(87.48,101.74) ; J3#21.1 195.83,139.23 v1(195.79,139.27) ; v1(79.19,139.37) 79.16,139.34 J3#22.1 ; v1(87.48,54.63) 87.47,54.62 J3#7.1 ; J3#9.1 79.16,162.83 v1(79.19,162.85) ; J3#4.1 204.13,54.65 v1(204.12,54.66) ; v1(120.78,59.99) 120.8,60.01 J3#10.1 ; v1(70.86,32.6) 70.83,32.57 J3#8.1 ; J3#6.1 195.83,162.72 v1(195.79,162.75) ; v1(260.5,124.98) 261.24,124.98 261.96,124.26 J5#5.1 ; J3.1 237.47,59.86 v1(237.49,59.84) ; v1(187.46,32.5) 187.5,32.46 J3#5.1
  Bottom w0.5: 129.16,145.63 129.29,145.5 v1(129.29,144.07) ; 245.84,144.12 245.83,144.13 J3#23.1 ; J2#5.1 111.83,116.98 v1(111.83,118.25) ; v1(229.16,14.98) 229.19,15.01 J4#7.1 ; v1(95.33,121.93) 95.33,124.55 J4.1 ; J2#7.1 212.53,11.99 v1(212.56,12.02) ; v1(254.31,37.35) 254.18,37.35 254.17,37.36 J3#2.1 ; v1(228.51,118.68) 228.51,118.68 J2#6.1 ; J5#4.1 284.84,16.33 v1(284.76,16.42) ; v1(211.93,121.88) 211.96,121.92 J4#6.1 ; 137.5,38.86 137.56,38.8 v1(137.56,37.36) ; v1(95.86,12.02) 95.86,12.01 J2#8.1 ; 129.16,169.12 129.29,168.99 v1(129.29,167.55) ; J1#5.1 41.61,16.33 42.06,15.89 v1(42.06,15.22) ; J4#2.1 112.53,15.16 v1(112.56,15.13) ; J3#3.1 245.83,167.62 245.84,167.6
  vias: v1(246.04,167.67) v1(246.04,144.19)
GND: length 448.3
  Top w0.3: 265.34,62.22 v1(266.63,62.22) ; C13.2 v1(249.97,62.22) ; 215.34,62.22 v1(216.63,62.22) ; C10#2.2 v1(199.97,62.22) ; C9#2.2 v1(183.3,62.22) ; C8#2.2 v1(166.63,62.22) ; C7#2.2 v1(149.97,62.22) ; C6#2.2 v1(133.3,62.22) ; C4#2.2 v1(99.97,62.22) ; C3#2.2 v1(83.3,62.22) ; C2#2.2 v1(66.63,62.22) ; 282.04,39.86 v1(283.33,39.86) ; C15#2.2 v1(266.67,39.86) ; 232.04,39.86 v1(233.33,39.86) ; C12#3.2 v1(216.67,39.86) ; C11#3.2 v1(200,39.86) ; 182.04,39.86 v1(183.33,39.86) ; C9#3.2 v1(166.67,39.86) ; C8#3.2 v1(150,39.86) ; C7#3.2 v1(133.33,39.86) ; C6#3.2 v1(116.67,39.86) ; C5#3.2 v1(100,39.86) ; C4#3.2 v1(83.33,39.86) ; C3#3.2 v1(66.67,39.86) ; C2#3.2 v1(50,39.86) ; C12#4.2 v1(224.99,170.12) ; C11#4.2 v1(208.33,170.12) ; C10#4.2 v1(191.66,170.12) ; C9#4.2 v1(174.99,170.12) ; C8#4.2 v1(158.33,170.12) ; C7#4.2 v1(141.66,170.12) ; C4#4.2 v1(91.66,170.12) ; C3#4.2 v1(74.99,170.12) ; C2#4.2 v1(58.33,170.12) ; v1(245.3,57.22) D13.5 243.67,56.9 244.27,56.9 ; D11#2.5 v1(211.97,57.22) ; 176.68,57.22 v1(178.63,57.22) ; D6#2.5 v1(128.63,57.22) ; D2#2.5 v1(61.97,57.22) ; 226.68,57.22 v1(228.63,57.22) ; D5#2.5 v1(111.97,57.22) ; D15#2.5 v1(262,34.86) ; D12#3.5 v1(212,34.86) ; 193.38,34.86 v1(195.33,34.86) ; D9#3.5 v1(162,34.86) ; D6#3.5 v1(112,34.86) ; D5#3.5 v1(95.33,34.86) ; D2#3.5 v1(45.33,34.86) ; 218.38,165.12 v1(220.33,165.12) ; D11#4.5 v1(203.66,165.12) ; 168.38,165.12 v1(170.33,165.12) ; D6#4.5 v1(120.33,165.12) ; D5#4.5 v1(103.66,165.12) ; D2#4.5 v1(53.66,165.12) ; v1(215.41,16.18) 215.4,16.19 C11#5.2 ; v1(198.74,16.18) 198.73,16.19 C10#5.2 ; v1(182.08,16.18) 182.07,16.19 C9#5.2 ; v1(165.41,16.18) 165.4,16.19 C8#5.2 ; v1(148.74,16.18) 148.73,16.19 C7#5.2 ; v1(132.08,16.18) 132.07,16.19 C6#5.2 ; v1(98.74,16.18) 98.73,16.19 C4#5.2 ; v1(82.08,16.18) 82.07,16.19 C3#5.2 ; v1(156.51,122.98) 156.5,123 C6.2 ; v1(173.18,122.98) 173.17,123 173.17,124.38 ; v1(189.84,122.98) 189.83,123 C8.2 ; v1(206.51,122.98) 206.5,123 C9.2 ; v1(223.18,122.98) 223.17,123 223.17,124.38 ; v1(106.51,122.98) 106.5,123 C3.2 ; v1(123.18,122.98) 123.17,123 C4.2 ; 244.27,80.45 243.67,80.45 D13#5.5 v1(245.3,80.77) ; 226.68,80.77 v1(228.63,80.77) ; D1#6.5 44.88,80.77 v1(45.04,80.94) ; D5#6.5 v1(111.97,80.77) ; D3#6.5 76.81,80.65 v1(78.19,80.65) ; v1(95.3,80.77) D4#6.5 ; v1(232.02,84.49) 232.01,84.51 C12#6.2 ; C5#6.2 115.31,85.74 v1(115.31,84.33) ; v1(194.78,80.72) 193.4,80.72 D10#6.5 ; v1(261.86,80.79) 260.03,80.79 D14#5.5 ; D7#6.5 143.42,80.84 v1(145.27,80.84) ; v1(279.26,84.41) 280.64,84.41 C15#5.2 ; v1(161.96,80.81) 160.06,80.81 D8#6.5 ; 276.68,80.77 277.01,80.45 v1(278.31,80.45) ; C2#6.2 v1(66.63,85.77) ; C1#6.2 v1(49.97,85.77) ; D2#6.5 v1(61.97,80.77) ; C3#6.2 v1(83.3,85.77) ; C4#6.2 v1(99.97,85.77) ; D6#6.5 v1(128.63,80.77) ; C6#6.2 v1(133.3,85.77) ; C7#6.2 v1(149.97,85.77) ; C8#6.2 v1(166.63,85.77) ; 176.68,80.77 v1(178.63,80.77) ; C9#6.2 v1(183.3,85.77) ; C10#6.2 v1(199.97,85.77) ; D11#6.5 v1(211.97,80.77) ; 215.34,85.77 v1(216.63,85.77) ; C13#5.2 v1(249.97,85.77) ; 265.34,85.77 v1(266.63,85.77) ; v1(261.86,104.35) 260.03,104.35 D14#6.5 ; D4#7.5 v1(95.3,104.33) ; 244.27,104.01 243.67,104.01 D13#6.5 v1(245.3,104.33) ; 226.68,104.33 v1(228.63,104.33) ; D1#7.5 44.88,104.33 v1(45.04,104.49) ; D5#7.5 v1(111.97,104.33) ; D3#7.5 76.81,104.2 v1(78.19,104.2) ; v1(232.02,108.05) 232.01,108.07 C12#7.2 ; C5#7.2 115.31,109.3 v1(115.31,107.89) ; v1(194.78,104.28) 193.4,104.28 D10#7.5 ; D7#7.5 143.42,104.4 v1(145.27,104.4) ; v1(279.26,107.97) 280.64,107.97 C15#6.2 ; v1(161.96,104.37) 160.06,104.37 D8#7.5 ; 276.68,104.33 277.01,104 v1(278.31,104) ; C2#7.2 v1(66.63,109.33) ; C1#7.2 v1(49.97,109.33) ; D2#7.5 v1(61.97,104.33) ; C3#7.2 v1(83.3,109.33) ; C4#7.2 v1(99.97,109.33) ; D6#7.5 v1(128.63,104.33) ; C6#7.2 v1(133.3,109.33) ; C7#7.2 v1(149.97,109.33) ; C8#7.2 v1(166.63,109.33) ; 176.68,104.33 v1(178.63,104.33) ; C9#7.2 v1(183.3,109.33) ; C10#7.2 v1(199.97,109.33) ; D11#7.5 v1(211.97,104.33) ; 215.34,109.33 v1(216.63,109.33) ; C13#6.2 v1(249.97,109.33) ; 265.34,109.33 v1(266.63,109.33) ; D11#8.5 v1(203.66,141.63) ; C12#8.2 v1(224.99,146.63) ; C10#8.2 v1(191.66,146.63) ; 218.38,141.63 v1(220.33,141.63) ; C11#8.2 v1(208.33,146.63) ; C2#8.2 v1(58.33,146.63) ; C1#8.2 v1(41.66,146.63) ; C7#8.2 v1(141.66,146.63) ; D6#8.5 v1(120.33,141.63) ; C8#8.2 v1(158.33,146.63) ; 168.38,141.63 v1(170.33,141.63) ; C4#8.2 v1(91.66,146.63) ; D2#8.5 v1(53.66,141.63) ; C9#8.2 v1(174.99,146.63) ; C3#8.2 v1(74.99,146.63) ; D5#8.5 v1(103.66,141.63) ; D8#8.5 151.75,141.67 v1(153.65,141.67) ; v1(36.84,141.48) 36.7,141.63 D1#8.5 ; v1(258.29,146.57) 257.09,146.57 257.03,146.63 ; v1(136.96,141.7) 135.11,141.7 D7#8.5 ; D13#7.5 235.36,141.31 v1(236.67,141.31) ; D4#8.5 v1(86.99,141.63) ; D3#8.5 68.5,141.51 v1(69.88,141.51) ; D10#8.5 185.1,141.58 v1(186.47,141.58) ; v1(108.33,146.63) C5#8.2 ; v1(269.54,141.63) 268.38,141.63 ; C15#7.2 v1(274.99,146.63) ; v1(286.29,141.77) 286.15,141.63 D16#3.5 ; v1(291.69,146.67) 291.65,146.63 C16#3.2 ; v1(123.71,147.71) 123.71,146.64 C6#8.2 ; v1(240.36,147.99) 240.36,146.64 C13#7.2 ; D14#7.5 v1(249.89,141.63) ; v1(208.36,13.33) 209.11,12.58 210.08,12.58 209.78,12.88 ; D10#3.5 176.77,34.81 v1(178.15,34.81) ; 167.64,119.58 D7.5 167.35,119.88 v1(166.13,119.88) ; v1(249.97,122.58) 249.97,120.36 250.95,119.38 D12.5 ; D16.5 276.73,34.88 v1(278.56,34.88) ; 160.08,12.58 159.88,12.78 ; 251.18,119.38 250.98,119.58 ; C5.2 139.82,124.37 v1(139.82,122.96) ; C15#3.2 v1(274.99,170.12) ; D13#3.5 235.36,164.8 v1(236.67,164.8) ; D3#5.5 75.7,12.58 75.25,13.03 v1(75.08,13.03) ; D3#2.5 76.81,57.09 v1(78.19,57.09) ; C17.2 297.34,38.5 v1(295.96,38.5) ; v1(45.04,57.38) 44.88,57.22 D1#2.5 ; v1(62.36,12.65) 60.14,12.65 D2#5.5 ; C1#3.2 v1(33.33,39.86) ; v1(265.6,117.08) 265.55,117.13 J5#5.4 259.35,117.13 v1(259.3,117.18) ; C6#4.2 123.71,170.13 v1(123.71,171.19) ; v1(125.03,13.33) 125.78,12.58 D6#5.5 ; C1.2 70.75,121.96 70.75,119.73 v1(70.72,119.7) ; 276.68,57.22 277.01,56.89 v1(278.31,56.89) ; v1(141.69,13.08) 142.91,13.08 D7#5.5 143.21,12.78 ; C16#2.2 291.65,170.12 v1(291.69,170.15) ; v1(182.79,119.88) 184.01,119.88 D8.5 184.31,119.58 ; v1(145.27,57.29) 143.42,57.29 D7#2.5 ; v1(95.3,57.22) D4#2.5 ; v1(266.78,17.84) 266.52,17.58 C14#4.2 ; v1(191.69,13.08) 192.91,13.08 D10#5.5 193.01,12.98 ; v1(99.52,119.83) 99.68,119.83 100.13,119.38 D3.5 ; v1(257,122.68) 256.5,123.18 C12.2 ; C5#4.2 v1(108.33,170.12) ; v1(261.86,57.24) 260.03,57.24 D14.5 ; v1(28.52,34.72) 28.37,34.86 D1#3.5 ; v1(232.02,60.94) 232.01,60.96 C12#2.2 ; v1(269.54,165.12) 268.38,165.12 ; v1(233.86,17.58) C12#5.2 ; C11.2 239.87,124.34 v1(239.87,123.48) ; D3#4.5 68.5,164.99 v1(69.88,164.99) ; D10#2.5 193.4,57.17 v1(194.78,57.17) ; v1(91.69,13.08) 92.19,12.58 D4#5.5 93.31,12.68 ; 217.44,119.78 D10.5 217.34,119.88 v1(216.13,119.88) ; D8#2.5 160.06,57.26 v1(161.96,57.26) ; v1(283.42,14.28) 283.42,16.22 C15#4.2 ; v1(45.46,10.88) 45.36,10.88 43.66,12.58 D1#5.5 ; D7#4.5 135.11,165.19 v1(136.96,165.19) ; D13#2.5 227.04,34.54 v1(228.35,34.54) ; v1(225.03,13.08) 226.24,13.08 D12#5.5 226.54,12.78 ; 106.5,124.62 106.5,124.62 ; v1(132.8,120.13) 133.55,119.38 D5.5 ; C2.2 89.83,123 v1(89.85,122.98) ; v1(199.46,120.13) 200.21,119.38 D9.5 200.88,119.68 ; D4#4.5 v1(86.99,165.12) ; v1(175.03,13.33) 175.78,12.58 D9#5.5 176.44,12.88 ; C14#2.2 248.77,39.8 v1(249.96,39.8) ; C1#2.2 v1(49.97,62.22) ; v1(115.31,60.78) 115.31,62.19 C5#2.2 ; v1(285.26,10.98) 285.76,10.48 287.38,10.48 ; v1(158.36,13.08) 159.58,13.08 D8#5.5 ; D1.5 68.1,119.38 69.79,117.68 v1(69.9,117.68) ; C13#3.2 240.36,170.12 v1(240.36,171.47) ; v1(78.67,34.86) D4#3.5 ; v1(279.26,60.86) 280.64,60.86 C15.2 ; v1(145.32,34.9) 143.42,34.9 143.38,34.86 ; v1(128.63,34.93) 126.79,34.93 D7#3.5 ; C1#4.2 v1(41.66,170.12) ; C1#5.2 46.31,15.16 46.31,13.45 46.29,13.43 v1(46.29,12.72) ; 59.15,117.13 v1(59.1,117.08) ; v1(65.41,16.18) 65.4,16.19 C2#5.2 ; v1(279.02,11.8) 278.24,12.58 D15#4.5 ; v1(286.29,165.25) 286.15,165.12 D16#2.5 ; D14#4.5 259.03,12.58 258.36,13.25 v1(258.36,13.33) ; D1#4.5 36.7,165.12 v1(36.84,164.97) ; v1(241.69,13.08) 242.91,13.08 D13#4.5 243.21,12.78 ; v1(116.13,119.88) 116.63,119.38 D4.5 117.75,119.48 ; v1(186.47,165.06) 185.1,165.06 D10#4.5 ; D14#3.5 v1(249.89,165.12) ; D8#4.5 151.75,165.16 v1(153.65,165.16) ; v1(258.29,170.05) 257.09,170.05 257.03,170.12 ; 82.07,17.82 82.06,17.81 ; v1(108.36,13.33) 109.11,12.58 D5#5.5 ; D2.5 84.58,119.45 v1(86.8,119.45) ; 243.38,34.86 v1(241.57,34.86) ; D3#3.5 60.18,34.74 v1(61.55,34.74) ; C5#5.2 v1(117.66,17.58) ; v1(231.85,119.28) 232.56,119.28 232.66,119.18 234.31,119.18 D11.5 234.21,119.68 ; v1(295.01,34.54) 293.71,34.54 293.38,34.86 ; D6.5 150.21,119.38 v1(149.46,120.13) ; 248.73,17.58 v1(249.96,17.58)
  Top w0.5: v1(36.66,10.42) 36.74,10.33 J1#5.4 ; J1.4 59.15,117.13 ; v1(290.76,10.42) 290.67,10.33 J5#4.4
  Bottom w0.3: v1(45.46,10.88) 46.29,11.7 v1(46.29,12.72) ; v1(70.72,119.7) 70.72,118.51 v1(69.9,117.68) ; v1(285.26,10.98) 285.26,13.15 284.13,14.28 v1(283.42,14.28)
